# KiCad board BGA_Steuerung_4layer.kicad_pcb (continued)
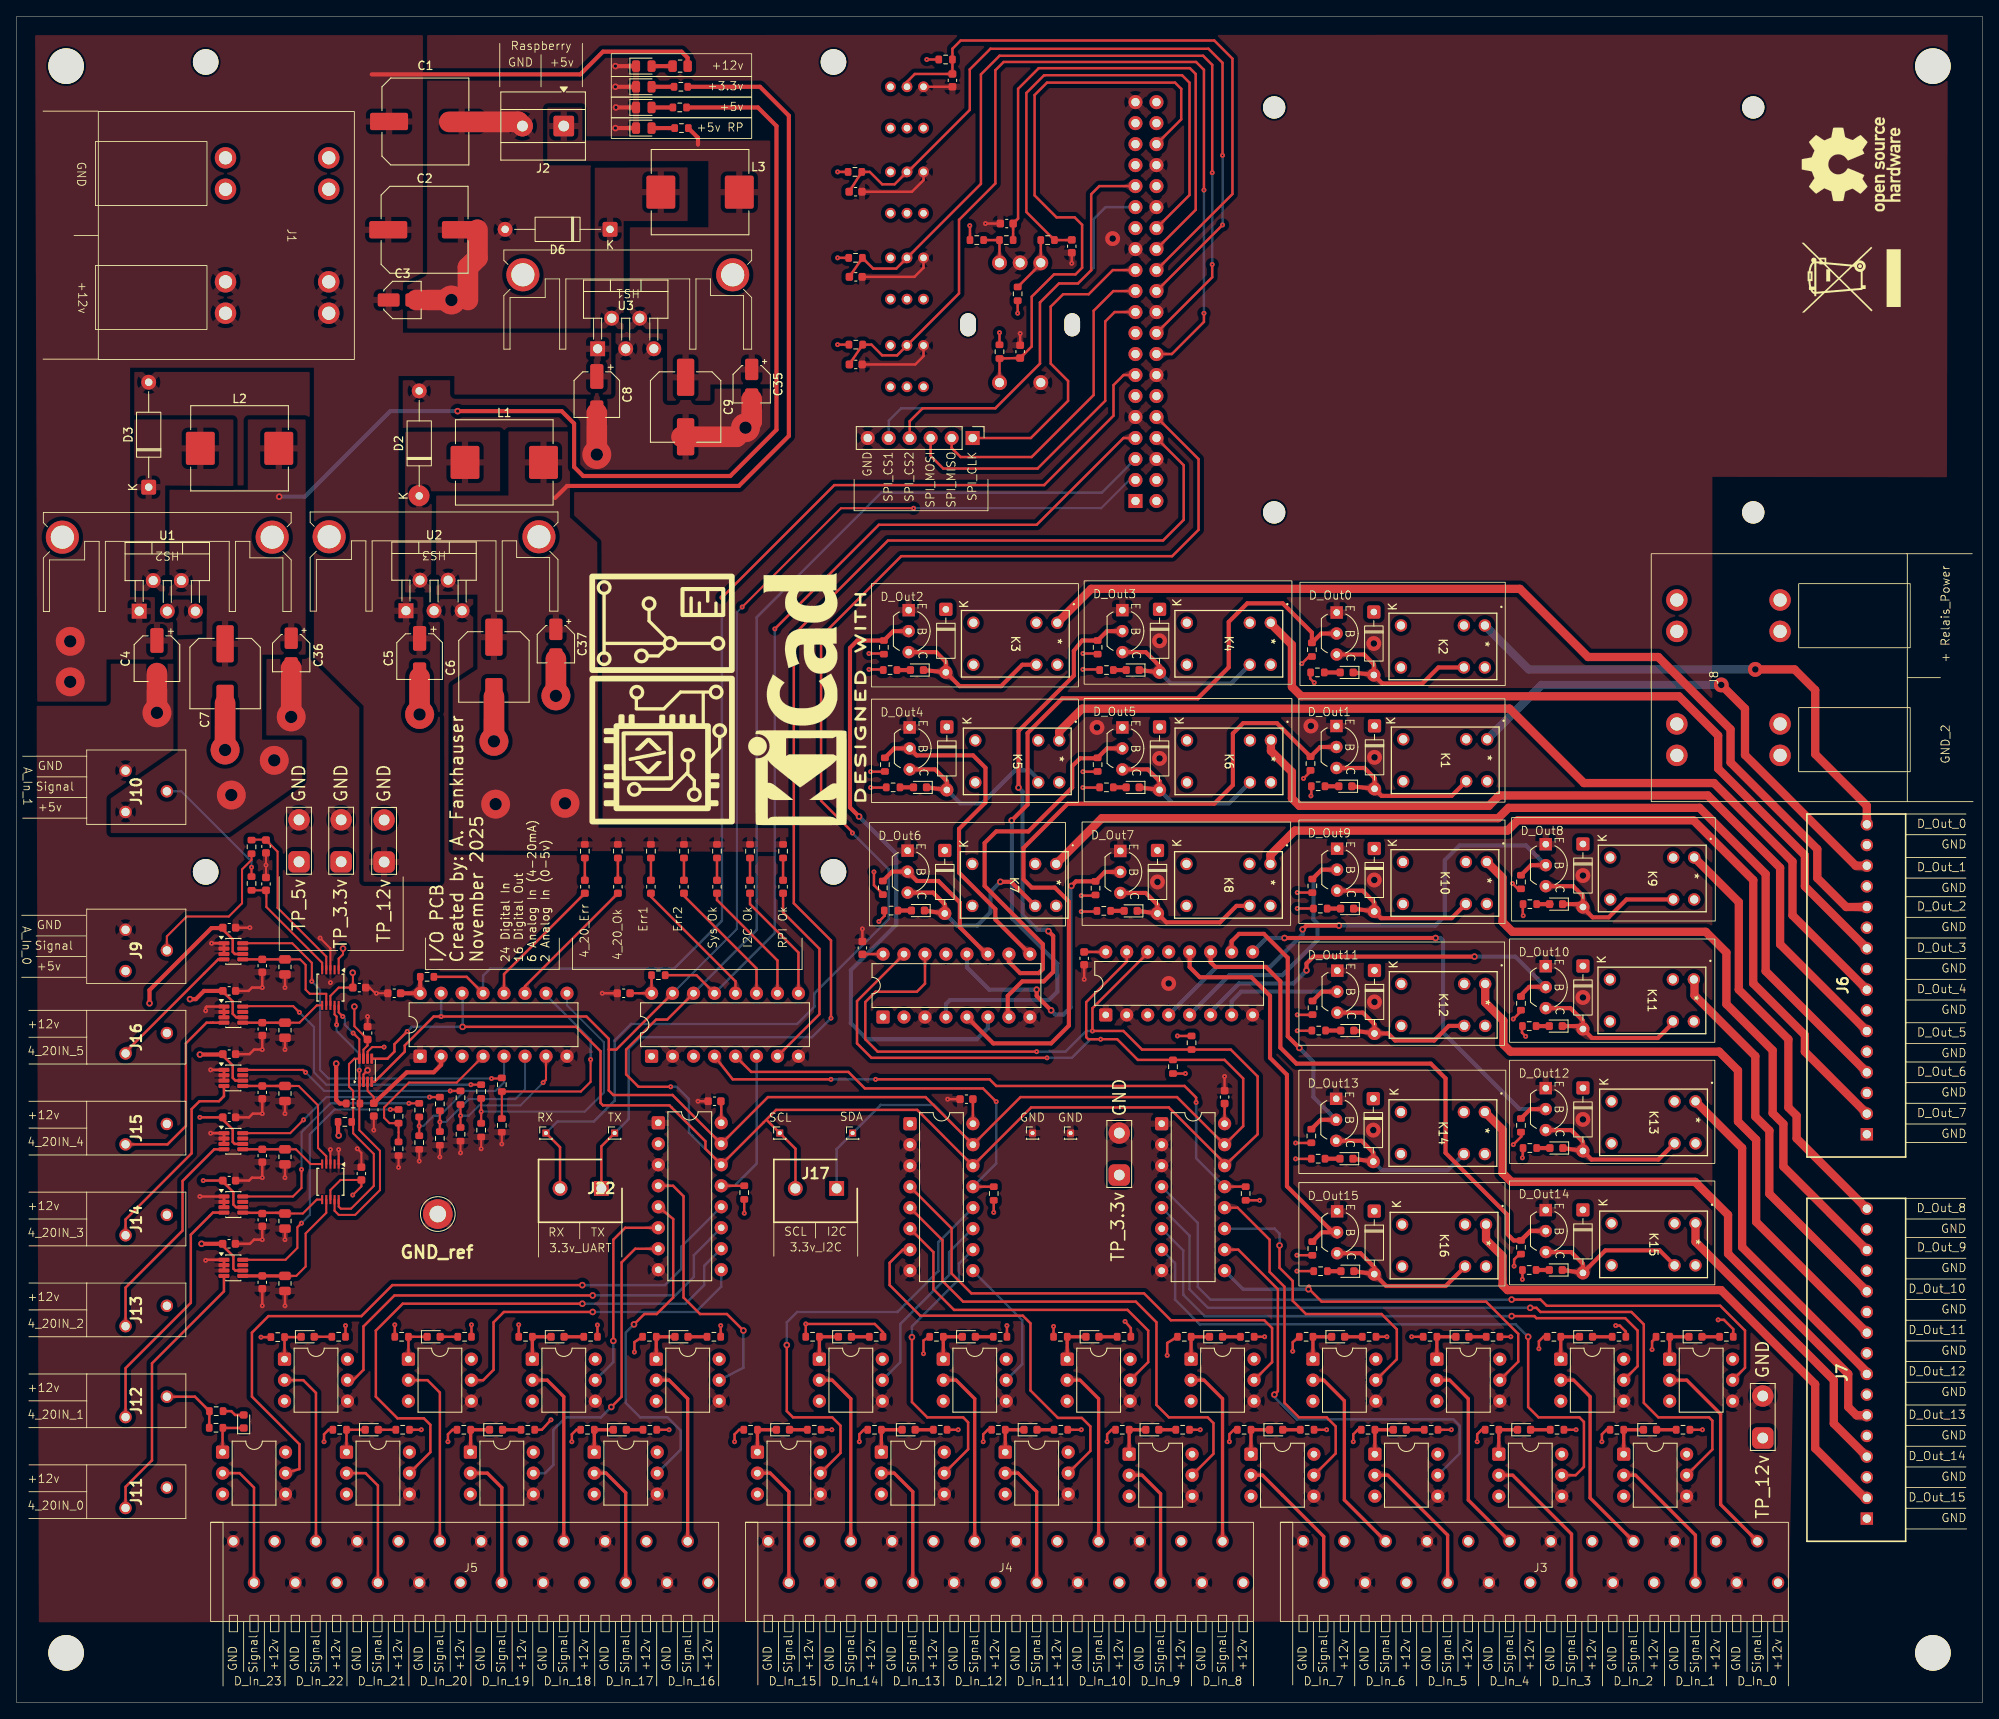
[diagram p0: board, top side]
## Nets (continued)
Net-(D43-A): D43.2 D70.1 K12.5 Q12.1
Net-(D44-A): D44.2 D68.1 K15.5 Q13.1
Net-(D45-A): D45.2 D69.1 K16.5 Q14.1
Net-(D46-A): D46.2 D64.1 K13.5 Q15.1
Net-(D47-A): D47.2 D65.1 K14.5 Q16.1
Net-(D48-A): D48.2 R71.2
Net-(D48-K): D48.1 U34.7
Net-(D49-A): D49.2 R72.2
Net-(D49-K): D49.1 U34.9
Net-(D50-A): D50.2 R73.2
Net-(D50-K): D50.1 U34.10
Net-(D51-A): D51.2 R74.2
Net-(D51-K): D51.1 U34.11
Net-(D52-A): D52.2 R75.2
Net-(D52-K): D52.1 U34.12
Net-(D53-A): D53.2 R99.2
Net-(D53-K): D53.1 U44.11
Net-(D54-A): D54.2 R100.2
Net-(D54-K): D54.1 U44.12
Net-(D55-A): D55.2 R101.2
Net-(D56-A): D56.2 R102.2
Net-(D57-A): D57.2 R103.2
Net-(D58-A): D58.2 R104.2
Net-(D59-A): D59.2 R105.2
Net-(D60-A): D60.2 R106.2
Net-(D61-A): D61.2 R107.2
Net-(D62-A): D62.2 R108.2
Net-(D63-A): D63.2 R109.2
Net-(D64-A): D64.2 R110.2
Net-(D65-A): D65.2 R111.2
Net-(D66-A): D66.2 R112.2
Net-(D67-A): D67.2 R113.2
Net-(D68-A): D68.2 R114.2
Net-(D69-A): D69.2 R115.2
Net-(D70-A): D70.2 R116.2
Net-(J2-Pin_1): C9.1 C35.1 J2.1 L3.2 R4.1 U3.4
Net-(J22-Pin_1): J22.1 J24.1 U4.8
Net-(J22-Pin_2): J22.2 J23.1 U4.10
Net-(R118-Pad2): R118.2 R119.1 SW1.A
Net-(R120-Pad2): R120.2 R121.2 SW1.B
Net-(U5-P0): U5.4 U9.5
Net-(U5-P1): U5.5 U6.5
Net-(U5-P2): U5.6 U7.5
Net-(U5-P3): U5.7 U8.5
Net-(U5-P4): U5.9 U10.5
Net-(U5-P5): U5.10 U11.5
Net-(U5-P6): U5.11 U12.5
Net-(U5-P7): U5.12 U13.5
Net-(U22-P0): U14.5 U22.4
Net-(U22-P1): U15.5 U22.5
Net-(U22-P2): U16.5 U22.6
Net-(U22-P3): U17.5 U22.7
Net-(U22-P4): U18.5 U22.9
Net-(U22-P5): U19.5 U22.10
Net-(U22-P6): U20.5 U22.11
Net-(U22-P7): U21.5 U22.12
Net-(U31-P0): U23.5 U31.4
Net-(U31-P1): U24.5 U31.5
Net-(U31-P2): U25.5 U31.6
Net-(U31-P3): U26.5 U31.7
Net-(U31-P4): U27.5 U31.9
Net-(U31-P5): U28.5 U31.10
Net-(U31-P6): U29.5 U31.11
Net-(U31-P7): U30.5 U31.12
Net-(U35-SCL_B): R77.1 U35.8 U36.10 U37.10
Net-(U35-SDA_B): R78.1 U35.1 U36.9 U37.9
Net-(U37-AIN0): C20.2 R85.2 U37.4
Net-(U37-AIN1): C21.2 R86.2 U37.5
Net-(U38-SGOOD): R80.1 U38.8
Net-(U39-SGOOD): R83.1 U39.8
Net-(U40-SGOOD): R89.1 U40.8
Net-(U41-SGOOD): R97.1 U41.8
Net-(U42-SGOOD): R95.1 U42.8
Net-(U43-SGOOD): R93.1 U43.8

Pads without a net: K1 6; K2 6; K3 6; K4 6; K5 6; K6 6; K7 6; K8 6; K9 6; K10 6; K11 6; K12 6; K13 6; K14 6; K15 6; K16 6; SW2 1 4 5 6; SW3 1 4 5 6; SW4 1 4 5 6; SW5 1 4 5 6; U4 1 2 4 11 12 15 17 27 32 33 35 37 38 40; U6 3 6; U7 3 6; U8 3 6; U9 3 6; U10 3 6; U11 3 6; U12 3 6; U13 3 6; U14 3 6; U15 3 6; U16 3 6; U17 3 6; U18 3 6; U19 3 6; U20 3 6; U21 3 6; U23 3 6; U24 3 6; U25 3 6; U26 3 6; U27 3 6; U28 3 6; U29 3 6; U30 3 6; U32 13; U33 13; U36 2; U37 2; U38 7; U39 7; U40 7; U41 7; U42 7; U43 7

## Via types
v1: diameter 1.8, hole 0.8, Top to Bottom, 17 vias
v2: diameter 0.6, hole 0.2, Top to Bottom, 182 vias
v3: diameter 3.5, hole 1.5, Top to Bottom, 15 vias
v4: diameter 0.8, hole 0.4, Top to Bottom, 49 vias

## Routing (per net, layer and track width the routed paths; a pad name or vN(x,y) marks a point on that pad's centre or on a via; arc(x,y) is an arc through that point)
5V_Power1: length 152.4
  Top w0.25: 41.25,63.22 39.22,63.22 38,62 U36.8 ; U37.8 38,85.5 39,86.5 C18.2 40.72,88.28 v4(40.7,88.3) ; C19.2 41.75,62.45 v2(40.7,61.4) ; U37.1 39,90 39.53,90.53 v4(39.53,91.22) 39.53,91.25 ; U35.7 42,79 42.5,79.5 C17.2 40.9,81.82 v4(40.9,84.2)
  Top w0.5: R77.2 38.92,68.68 v4(39,68.6) ; R2.1 89.75,193 92,190.75 92,154 86.4,148.4 68.6,148.4 67.5,149.5 67.5,154.75 66,156.25 v4(53.4,156.25) ; v4(38.7,77.3) 38.7,72.9 39.12,72.47 R78.2
  Bottom w0.5: v4(31.8,145.9) 34.9,145.9 45.25,156.25 v4(53.4,156.25)
  vias: v3(26,109.8) v3(31.2,114)
12V_Power1: length 251.7
  Top w0.3: v2(154.5,42.5) 154.5,43.6 R20.1 ; U40.6 26.41,67.59 26.17,67.82 26.17,69.32 24.92,70.57 ; 156.78,126.5 156.4,126.5 v2(155.6,125.7) ; R51.1 39.83,45.57 39.8,45.6 ; v2(161.83,31.55) 161.83,32.45 162.38,33 162.82,33 ; U43.6 26.44,90.56 26.17,90.82 26.17,92.32 24.92,93.57 ; v2(67.23,31.55) 67.23,32.45 67.78,33 68.22,33 ; v2(181.1,99.1) 181.7,98.5 182.18,98.5 ; v2(182.3,65.9) 182.35,65.95 182.35,67.07 ; 53.22,33 52.78,33 52.23,32.45 v2(52.23,31.55) ; 180.9,44.2 180.85,44.25 R11.1 ; v2(128.9,95.7) 130.91,95.7 ; v2(86.93,31.55) 86.93,32.45 87.48,33 87.92,33 ; R105.1 104.85,125 v2(103.2,125) ; 156.88,83.2 155.1,83.2 ; 27.31,83 27.22,82.91 26.59,82.91 26.17,83.32 26.17,84.82 24.92,86.07 ; 24.92,78.32 26.17,77.07 26.17,75.57 26.5,75.25 27.31,75.25 ; v2(134.2,46.1) 134.9,45.3 R25.1 ; v2(155,52.19) 157,52.19 ; v2(29.6,44.2) 30.78,44.2 30.8,44.21 ; R35.1 104.9,44.8 103.9,45.8 95.6,45.8 95.55,45.75 R37.1 ; R19.1 165.66,44.25 165.7,44.29 165.9,44.29 ; 147.82,33 147.38,33 146.83,32.45 v2(146.83,31.55) ; 192.92,33 192.48,33 191.93,32.45 v2(191.93,31.55) ; R21.1 v2(158.6,33) ; v2(155.04,96.07) 157.05,96.07 ; 156.57,112.8 156.57,112.57 v2(155.8,111.8) ; R114.1 182.31,51.21 v2(182.3,51.2) ; 38.22,33 37.78,33 37.23,32.45 v2(37.23,31.55) ; R43.1 v2(55.08,45.7) ; C26.2 v2(22.2,70.8) ; R24.1 v2(143.3,33) ; v2(129.1,110.7) 131.1,110.7 ; 45.8,45.7 45.8,45.7 R49.1 ; v2(104.4,94.5) 105.1,95.21 105.1,95.9 ; 156.75,110.88 156.75,109.75 v2(156.7,109.7) ; R28.1 v2(114,33) ; 62.72,33 63.6,33 v2(64.7,34.2) ; 182.18,69 182.18,68.47 v2(181.2,67.5) ; R8.1 184.85,44.25 184.3,43.7 v2(184.3,42.8) ; 156.68,67.7 154.9,67.7 ; R44.1 v2(49,33) ; 182.25,81.88 182.25,81.05 v2(182.7,80.6) ; R26.1 v2(128.9,33) ; 125.51,45.5 125.54,45.47 125.54,44.25 ; R40.1 v2(79,33) ; v2(182.4,95.2) 182.35,95.25 182.35,96.57 ; v2(139.3,42) 139.3,43.5 140.54,44.25 ; 118.02,33 117.58,33 117.03,32.45 v2(117.03,31.55) ; v2(206,46.3) 206.7,46.3 207.82,45.18 R13.1 ; 104.93,97.82 104.88,97.82 103.8,98.9 v2(103.8,100.5) ; v2(154.84,65.78) 156.85,65.78 ; R45.1 74.8,43.6 v2(74.8,42.4) ; R101.1 156.61,124.57 156.61,123.89 v2(157.1,123.4) ; R47.1 60.8,45.7 ; v2(193.6,45.6) 194.1,45.6 194.82,44.88 R7.1 ; 24.98,55.25 24.99,55.25 26.25,53.99 26.25,52.5 26.48,52.26 27.39,52.26 ; v2(109.8,42.2) 109.8,43.8 110.54,44.25 ; v2(85.25,45.6) R39.1 ; v2(103.4,110.7) 105.41,110.7 ; 25,63 26.25,61.75 26.25,60.25 26.58,59.93 U39.6 ; v2(181.3,52.8) 181.3,53.6 181.96,54.25 R67.1 ; 130.93,112.62 129.16,112.62 ; 130.93,126.93 129.16,126.93 ; v2(129.1,125) 131.1,125 ; R14.1 198.48,44.18 198,43.7 v2(198,42.7) ; C24.2 22.65,63.15 22.6,63.2 ; 156.83,54.12 155.06,54.12 ; v2(181.2,82.7) 182.07,83.57 182.07,83.8 ; v2(155.04,81.28) 157.05,81.28 ; R9.1 v2(188.8,33) ; 156.88,98 155.1,98 ; R15.1 v2(204.1,33) ; 177.82,33 177.38,33 176.83,32.45 v2(176.83,31.55) ; R36.1 v2(98.7,33) ; 103.02,33 102.58,33 102.03,32.45 v2(102.03,31.55) ; 130.73,97.62 128.96,97.62 ; v2(132.03,31.55) 132.03,32.45 132.58,33 133.02,33 ; 105.03,126.93 103.25,126.93 ; 168.9,44.3 168.95,44.25 R12.1 ; R17.1 v2(173.7,33) ; J12.2 21.6,37 R52.1 R54.1 ; R27.1 v2(119.9,45.6) ; R23.1 151.05,44.25 151.1,44.3 ; 105.23,112.62 103.46,112.62 ; v2(70.33,45.68) R41.1
  Top w0.5: v4(21,85.1) 21.7,85.1 22.7,86.1 C30.2 ; C32.2 24.92,93.7 23.6,93.7 16.1,86.2 v4(16.1,84.6) ; v4(22.4,55.5) C23.2 ; C28.2 24.92,78.4 v4(22.2,78.4) ; R1.1 81.25,199 80.5,199.75 71,199.75 68.25,197 43,197
  vias: v2(22.6,63.15) v2(39.83,45.6) v2(45.8,45.7) v2(60.8,45.7) v2(95.55,45.8) v2(103.2,126.93) v2(103.4,112.62) v2(125.54,45.5) v2(128.9,97.62) v2(129.1,126.93) v2(129.1,112.62) v2(151.1,44.25) v2(154.84,67.7) v2(155.04,98) v2(155.04,83.2) v2(155,54.12) v2(165.9,44.25) v2(168.9,44.25) v2(180.9,44.25) v3(6.5,128.4) v3(6.5,123.5)
GND: length 213.9
  Top w0.25: C19.1 41.75,66.5 v2(41.25,67) ; 44.72,85.81 v2(43.56,85.81) 43.44,85.81 42.75,86.5 42.53,86.5 ; v2(36.75,92.5) 37.97,91.25 38,91.22 U37.3 ; U36.1 v2(39,66.9) ; 30.2,99.82 C20.1 ; U36.3 v2(38,66.9) ; R87.2 v2(48.75,65.5) ; v2(43.25,69.25) C16.1 ; v2(42.5,83) 42.5,82.03 ; 53.75,68.18 v2(53.75,66.5) ; R96.2 v2(56.25,67) ; R91.2 v2(51.25,66) ; 46.25,66.43 v2(46.25,64.75) ; R94.2 v2(58.75,67.57) ; U35.2 42,76 v4(42.5,76.5)
  Top w0.3: SW3.3 109.8,173.6 108.7,172.5 C42.2 ; 25.11,52.26 U38.1 22.97,53.56 v2(22.9,53.5) ; v2(22.9,83.7) 22.9,84.1 23.01,84.21 U42.1 U42.3 ; C31.1 v2(29.75,79) 28.75,79 28.2,78.45 C28.1 ; C26.1 28.15,70.8 28.6,71.25 v2(29.75,71.25) C29.1 ; 23.5,76.5 23.55,76.54 U41.1 U41.3 ; v2(127.75,174.15) C40.1 ; C24.1 28.15,63.15 28.5,63.5 v2(29.75,63.5) C27.1 ; C32.1 v2(28.25,93.75) ; v2(129.25,87.5) 129.25,89.47 ; 23.5,69 23.62,68.88 U40.1 U40.3 ; 102.35,183.1 102.65,182.8 108.4,182.8 109.8,184.2 SW4.3 ; C25.1 v2(29.75,56) 28.75,56 28.25,55.5 C23.1 ; v2(112.72,73) C11.2 ; C13.2 v2(102.4,93.6) ; v2(23.62,91.87) U43.1 U43.3 ; 121.5,164.22 v2(121.5,165.65) ; C30.1 28.1,86.1 28.5,86.5 v2(29.75,86.5) C33.1 ; R92.2 v2(32.5,86.5) ; R79.2 v2(32.5,48) ; R90.2 v2(32.5,79) ; U39.3 U39.1 22.27,61.22 22.2,61.3 ; R82.2 v2(32.5,56) ; C39.1 v2(117.3,178.95) ; SW5.3 C44.2 ; R88.2 v2(32.5,71.25) ; SW2.3 109.8,162.9 108.8,161.9 C41.2 ; R84.2 v2(32.5,63.5) ; C15.2 v2(70.9,85.81) ; C22.1 v2(29.75,48) ; C12.2 v2(82.5,72.75) ; C10.2 v2(146.25,75.75)
  Top w0.5: 75.12,198 v4(72.5,198) ; D5.1 v4(72.5,195.5) ; 75.12,193 v4(72.56,193) ; 75.06,190.5 v4(72.5,190.5)
  Top w2.5: 52.4,191.25 60.75,191.25 J2.2 ; v3(70.25,151) C8.2 ; C35.2 89,155 v3(88.25,154.25) 87.15,153.15 80.5,153.15 ; v3(25.25,115.25) C7.2 ; 33.25,125.18 v3(33.25,119.25) ; C6.2 v3(57.8,116.3) ; 55.8,178.2 55.8,174.8 54.65,173.65 54.65,169.7 ; v3(48.8,119.55) 48.8,124.05 ; v3(17,119.75) 17,124.55 ; C3.2 v3(52.65,169.7) ; C37.2 v3(65.3,121.8)
  vias: v1(130.8,117.98) v1(132.7,177.13) v1(138.12,99.28) v1(138.38,128.46) v1(138.38,114.23) v1(139.48,87) v1(156.7,118.15) v1(164.32,128.14) v1(164.25,69.26) v1(164.4,114.36) v1(164.37,99.52) v1(164.39,84.76) v1(189.63,100.06) v1(189.63,85.3) v1(189.63,70.55) v2(22.2,61.22) v2(23.5,76.54) v2(23.5,68.88) v2(30.2,101.32) v2(38,87.1)
3_3V_Power1: length 140.8
  Top w0.25: U35.6 42.5,78.75 43.05,79.3 v2(44.5,79.3) ; C16.2 43.25,73.25 42.5,74 U35.3
  Top w0.3: v2(99.4,185.2) R124.1 ; R126.2 v2(150.5,60.76) ; R125.1 v2(110.2,198.8) ; v2(121.2,168.1) R120.1 ; R123.1 v2(99.4,164.3) ; R129.2 U34.16 C15.1 ; R127.2 v2(118.3,59.3) ; v2(140.54,80.65) R6.1 ; C13.1 102.43,90.56 104.57,90.56 ; C10.1 U5.16 ; C11.1 U22.16 ; v2(115.4,178.7) 115.43,178.68 R118.1 ; R5.1 v2(141.5,76.1) ; R122.2 v2(119,165.75) ; 85.31,72.72 U31.16 ; 129.34,90.81 U33.16 ; R128.2 v2(88.1,59.2) ; R117.1 v2(99.4,174.8)
  Top w0.5: R3.1 90,195.5 93.5,192 93.5,153.25 87.45,147.2 66.65,147.2 65.2,145.75 ; C16.2 47.25,76.25 50.5,76.25 51.4,77.15 U44.2 ; 46.69,85.81 U44.16 R130.2
  vias: v3(58,108.7) v3(66.4,108.8)
4_20IN_0: length 33
  Top w0.3: J11.1 13.2,26.1 16.4,29.3 16.4,41.04 25.11,49.75 U38.4
4_20IN_1: length 30.5
  Top w0.3: J12.1 13.2,40.45 21.1,48.35 21.1,56.6 23.77,59.28 U39.4
4_20IN_2: length 27
  Top w0.3: J13.1 13.2,50.2 20.1,57.1 20.1,63.1 23.94,66.94 U40.4
4_20IN_3: length 24.4
  Top w0.3: J14.1 13.2,58.45 21.2,66.45 21.2,71.8 22.15,72.75 24.5,72.75 25.11,73.36 U41.4 ; 25.06,74.59 25.11,74.54
4_20IN_4: length 23.9
  Top w0.3: U42.4 23.75,82.25 23.75,82.25 23,82.25 20.5,79.75 20.5,69.75 18.28,67.53 J15.1
4_20IN_5: length 16.7
  Top w0.3: U43.4 24.41,89.91 13.25,78.75 13.25,78.58 J16.1
/Analog_Input_ADS1115/3_3V_SCL: length 369.2
  Top w0.3: J17.2 94.3,62.22 94.3,67 J18.1 90.83,70.47 ; U32.14 109.98,86.98 109,86 104,86 102.75,84.75 102.75,80.25 104.25,78.75 v2(123.5,78.75) ; U33.14 136.94,90.69 130.25,84 v2(130.25,81.25) 134,81.25 136.25,79 147,79 150.25,75.75 150.25,68.75 U5.14 146.25,65.25 139.5,72 122.83,72 U22.14 109.03,71.7 91.95,71.7 U31.14 85.31,65.09 83.4,67 83.4,67.9 79.05,72.25 71,72.25 70.7,72.55 70.7,78.8 67.75,81.75 v4(54,81.75) ; v2(79.2,74.5) 75.3,74.5 73.8,76 73.8,79 77.43,82.63 78.77,82.63 U34.14 ; 43.05,77.9 44.9,77.9 45.75,78.75 45.75,79.65 v2(47.3,81.2)
  Bottom w0.3: 53.94,81.75 v4(54,81.75) ; 53.94,81.75 47.85,81.75 v2(47.3,81.2) ; 53.94,81.75 54,81.81 54,85.75 U44.14 ; v2(130.25,81.25) 129.5,81.25 127,78.75 v2(123.5,78.75) ; U31.14 81.4,68.97 81.4,73 79.9,74.5 v2(79.2,74.5) ; U4.5 131.4,146.4 104.7,146.4 89.6,131.3 89.6,93.46 U34.14
/Analog_Input_ADS1115/3_3V_SDA: length 356.3
  Top w0.25: v2(87.85,132.55) 99.8,144.5 v2(108.6,144.5)
  Top w0.3: 71.7,79 71.7,80.3 69,83 v2(51.4,83) 50.5,83 47,79.5 47,78.75 43.35,75.1 43.05,75.1 ; 71.7,79 71.7,74.05 72.25,73.5 79.42,73.5 U31.15 90.97,73.25 110.05,73.25 115.78,67.52 U22.15 121.54,73.25 140.49,73.25 U5.15 148.5,69.74 148.5,75.5 146.25,77.75 135.75,77.75 133.25,80.25 v2(131.25,80.25) 129.75,80.25 129.5,80.5 129.5,84.75 134.4,89.65 U33.15 ; 71.7,79 72.61,79 U34.15 ; U32.15 101.75,84.87 101.75,79.75 103.5,78 v2(124.75,78)
  Bottom w0.25: v2(108.6,144.5) 131.3,144.5 134.72,147.92 U4.3 ; U34.15 87.2,93.59 87.2,131.9 v2(87.85,132.55) 87.95,132.65
  Bottom w0.3: J17.1 99.28,66.96 104.62,72.3 111.1,72.3 U22.15 ; v2(131.25,80.25) 130,80.25 127.75,78 v2(124.75,78) ; v2(51.4,83) U44.15
/Analog_Input_ADS1115/4-20IN_0: length 17.2
  Top w0.25: U36.7 37.5,59.25 35,56.75 35,52.75 33.86,51.62 32.5,51.62
  Top w0.4: U38.5 32.5,51.62
/Analog_Input_ADS1115/4-20IN_1: length 10.2
  Top w0.25: R82.1 34.66,59.16 36.35,60.85 U36.6
  Top w0.3: 27.39,59.22 U39.5 27.41,59.25 32.16,59.25 32.25,59.16
/Analog_Input_ADS1115/4-20IN_2: length 10.1
  Top w0.25: U36.5 35.6,65.15 33.81,66.94 R84.1
  Top w0.3: U40.5 32.25,66.94
/Analog_Input_ADS1115/4-20IN_3: length 17.3
  Top w0.25: R88.1 34.16,74.59 36.5,72.25 36.5,67.1 37.5,66.1 U36.4
  Top w0.3: U41.5 32.25,74.59
/Analog_Input_ADS1115/4-20IN_4: length 10.2
  Top w0.25: U37.6 36.35,84.35 34.25,82.25 R90.1
  Top w0.3: U42.5 32.25,82.25
/Analog_Input_ADS1115/4-20IN_5: length 14.7
  Top w0.25: U37.7 37.5,85.75 35.5,85.75 35,86.25 35,89.25 34.33,89.91 R92.1
  Top w0.3: U43.5 32.25,89.91
/Analog_Input_ADS1115/4_20_circuit_protection_/SGOOD_4_20IN_0: length 19.8
  Top w0.25: U44.4 53.28,75 47.5,75 44.5,72 44.5,70.75 45.15,70.1 R80.2 46.25,68.07
/Analog_Input_ADS1115/4_20_circuit_protection_/SGOOD_4_20IN_1: length 17.9
  Top w0.25: R83.2 v2(48.75,69.75) R87.1
  Bottom w0.25: v2(48.75,69.75) 49.25,69.75 50.5,71 51.25,71 54.25,74 58,74 59.02,75.02 U44.5
/Analog_Input_ADS1115/4_20_circuit_protection_/SGOOD_4_20IN_2: length 18.5
  Top w0.25: R91.1 v2(51.25,70.25) R89.2
  Bottom w0.25: U44.6 61.56,74.19 60.38,73 54.75,73 52,70.25 v2(51.25,70.25)
/Analog_Input_ADS1115/4_20_circuit_protection_/SGOOD_4_20IN_3: length 17.5
  Top w0.25: U44.7 64.1,75.35 v2(63.75,75) ; R97.2 v2(53.75,71) 53.75,69.82
  Bottom w0.25: v2(53.75,71) 54.75,71 56,72.25 61,72.25 v2(63.75,75)
/Analog_Input_ADS1115/4_20_circuit_protection_/SGOOD_4_20IN_4: length 32.7
  Top w0.25: R96.1 v2(56.25,71.5) R95.2
  Bottom w0.25: v2(56.25,71.5) 68.8,71.5 71.1,73.8 71.1,79.9 66.64,84.36 U44.9
/Analog_Input_ADS1115/4_20_circuit_protection_/SGOOD_4_20IN_5: length 27.7
  Top w0.25: R94.1 R93.2 68.33,73.93 69.5,75.1 v2(69.5,77.8) ; 64.25,85.66 U44.10
  Bottom w0.3: U44.10 64.1,85.6 69.5,80.2 v2(69.5,77.8)
/Analog_Input_ADS1115/INT_0x26: length 143.1
  Top w0.3: U4.13 134.02,160.62 132.8,159.4 132.8,155.7 124.4,147.3 99,147.3 v2(85.4,133.7) ; R130.1 54.5,87.8 U44.13
  Bottom w0.3: U44.13 56.48,87.94 57.34,88.8 79.6,88.8 85.4,94.6 v2(85.4,133.7)
/Digital_IO_PCF8574/PCF8574_7BIT_20_DIn0-7/INT_0x20: length 75.3
  Top w0.3: U5.13 148.8,62.43 ; v2(142.8,72.6) 142.8,73.2 141.4,74.6 118.6,74.6 117.8,75.4 v2(104,75.4) ; v2(98.6,75.4) 86.7,75.4 U34.4
  Bottom w0.3: v2(104,75.4) v2(98.6,75.4) ; v2(142.8,72.6) 142.8,65.86 U5.13
/Digital_IO_PCF8574/PCF8574_7BIT_21_DIn8-15/INT_0x21: length 47.8
  Top w0.3: R127.1 U22.13 ; v2(118.6,72.7) 117,74.3 102.7,74.3 100.7,76.3 88.94,76.3 U34.5
  Bottom w0.3: U22.13 118.6,65.23 v2(118.6,72.7)
/Digital_IO_PCF8574/PCF8574_7BIT_22_DIn16-23/INT_0x22: length 21.2
  Top w0.3: U31.13 R128.1
  Bottom w0.3: U31.13 86.92,62.52 89.6,65.2 89.6,78.18 U34.6
/Digital_IO_PCF8574/PCF8574_7BIT_23_DOut_0-7/P0_DOut0: length 100.4
  Top w0.5: v4(120.47,106.72) 122.4,108.65 122.4,117.3 126.6,121.5 143,121.5 146.75,125.25 146.75,130.75 149,133 153.28,133 156.82,129.47 R55.2 157.95,129.35 Q1.2
  Bottom w0.5: U32.4 112.52,84.52 113,85 125,85 126,86 126,89.4 120.5,94.9 120.5,106.7 v4(120.47,106.72)
/Digital_IO_PCF8574/PCF8574_7BIT_23_DOut_0-7/P1_DOut1: length 90.3
  Top w0.5: U32.5 118.25,79.75 125.25,79.75 127.4,81.9 127.4,96.9 125.7,98.6 122.9,98.6 121.9,99.6 121.9,103.4 127.25,108.75 145,108.75 147.25,111 147.25,117.25 148.5,118.5 152.59,118.5 R56.2 157.83,115.61 Q2.2
  Bottom w0.5: 159.52,115.49 159.87,115.49
/Digital_IO_PCF8574/PCF8574_7BIT_23_DOut_0-7/P2_DOut2: length 77.2
  Top w0.5: Q3.2 106.14,129.63 R57.2 101.8,128.5 100.9,127.6 100.9,108.3 v4(102,107.2)
  Bottom w0.5: U32.6 117.6,81.6 116.25,80.25 102.95,80.25 101,82.2 101,88.6 106.5,94.1 106.5,102.7 v4(102,107.2)
/Digital_IO_PCF8574/PCF8574_7BIT_23_DOut_0-7/P3_DOut3: length 60.3
  Top w0.5: Q4.2 132.01,129.63 R58.2 129,128.5 128,127.25 128,124.25 121.3,117.55 v4(121.3,110.7) ; v4(124.93,93.32) 125.5,92.75 125.5,88.4 124.35,87.25 121.75,87.25 120,85.5 120,83.18 120.14,83.04 U32.7
  Bottom w0.5: v4(121.3,110.7) 121.8,110.2 121.8,95.3 123.6,93.5 124.75,93.5 v4(124.93,93.32)
/Digital_IO_PCF8574/PCF8574_7BIT_23_DOut_0-7/P4_DOut4: length 41
  Top w0.5: U32.9 118.5,94.74 118.5,96 114.1,100.4 114.1,105.7 117.3,108.9 117.3,113.1 115.8,114.6 108.96,114.6 Q5.2 106.26,115.44 R59.2
/Digital_IO_PCF8574/PCF8574_7BIT_23_DOut_0-7/P5_DOut5: length 46.9
  Top w0.5: Q6.2 132.01,115.44 R60.2 130.82,114.25 128.75,114.25 127.8,113.3 127.8,110.7 122.5,105.4 118.6,105.4 117.2,104 117.2,98.8 124.25,91.75 124.25,88.75 123.75,88.25 121.5,88.25 120.14,89.61 U32.10
/Digital_IO_PCF8574/PCF8574_7BIT_23_DOut_0-7/P6_DOut6: length 19.1
  Top w0.5: R61.2 106.01,100.53 Q7.2 109.01,99.4 111.6,99.4 114.2,96.8 114.2,93.8 117.44,90.56 U32.11
/Digital_IO_PCF8574/PCF8574_7BIT_23_DOut_0-7/P7_DOut7: length 38.7
  Top w0.5: Q8.2 131.76,100.49 R62.2 128.26,99.36 v4(127.7,98.8) ; v4(125.25,83.75) 123.5,85.5 v4(123.5,86.25)
  Bottom w0.5: U32.12 115.06,88.94 117.75,86.25 v4(123.5,86.25) ; v4(125.25,83.75) 125.75,83.25 126.75,83.25 127.6,84.1 127.6,98.7 v4(127.7,98.8)
/Digital_IO_PCF8574/PCF8574_7BIT_24_DOut_8-15/P0_DOut8: length 62.9
  Top w0.5: v4(160.1,94) 156.15,94 v4(155.7,93.55) ; R63.2 183.34,101.31 Q9.2
  Bottom w0.5: v4(155.7,93.55) 155.7,92.95 151.75,89 145.28,89 U33.4 ; Q9.2 182.74,103.7 174.7,103.7 172.91,101.91 172.91,95.16 171.75,94 v4(160.1,94)
/Digital_IO_PCF8574/PCF8574_7BIT_24_DOut_8-15/P1_DOut9: length 34.1
  Top w0.5: 159.74,100.5 160,100.77 ; Q10.2 158,100.77 R64.2
  Bottom w0.5: Q10.2 158.02,100.77 157,99.75 157,94.75 157.5,94.25 157.5,92.25 153.25,88 146.82,88 U33.5
/Digital_IO_PCF8574/PCF8574_7BIT_24_DOut_8-15/P2_DOut10: length 49.3
  Top w0.5: Q11.2 185.09,86.59 183.13,86.59 182.13,85.59 R65.2 ; v4(176.5,90.25) 157,90.25 156.17,89.42 v4(156.17,88.58)
  Bottom w0.5: v4(176.5,90.25) 181.43,90.25 Q11.2 ; U33.6 144.56,83.56 148,87 154.58,87 v4(156.17,88.58)
/Digital_IO_PCF8574/PCF8574_7BIT_24_DOut_8-15/P3_DOut11: length 18.5
  Top w0.5: R66.2 158.03,86.01 Q12.2
  Bottom w0.5: 147.06,83.16 U33.7 147.1,84.85 148.26,86.01 Q12.2
/Digital_IO_PCF8574/PCF8574_7BIT_24_DOut_8-15/P4_DOut12: length 54.8
  Top w0.5: Q15.2 183.26,71.8 R69.2 ; v4(171.8,92.5) v4(153.5,92.5)
  Bottom w0.5: U33.9 151.32,92.5 v4(153.5,92.5) ; Q15.2 181.96,71.8 172.7,81.06 172.7,92.2 172.4,92.5 v4(171.8,92.5)
/Digital_IO_PCF8574/PCF8574_7BIT_24_DOut_8-15/P5_DOut13: length 35.2
  Top w0.5: R70.2 157.89,70.51 Q16.2 ; U33.10 147.1,92.1 148,93 151,93 153.9,90.1 153.9,80.6 v4(155.3,79.2)
  Bottom w0.5: Q16.2 157,73.26 157,77.5 v4(155.3,79.2) ; 147.1,90.78 U33.10
/Digital_IO_PCF8574/PCF8574_7BIT_24_DOut_8-15/P6_DOut14: length 71.1
  Top w0.5: R67.2 181.24,55.91 180.5,56.64 180.5,59 173,66.5 173,75.51 171.21,77.3 154.95,77.3 153,79.25 153,87.25 151.25,89 145.12,89 144.56,89.56 U33.11 ; R67.2 183.26,57.04 Q13.2 185.09,57.08 183.31,57.08 R67.2
/Digital_IO_PCF8574/PCF8574_7BIT_24_DOut_8-15/P7_DOut15: length 49
  Top w0.5: R68.2 157.88,56.77 ; 158,56.89 Q14.2 ; 159.88,56.38 153.8,62.46 153.8,75.95 151.75,78 151.75,85.5 149.5,87.75 143.25,87.75 142.02,88.98 U33.12 ; 160,56.89 159.88,56.77
/GUI_inputs/Button_1: length 110.9
  Top w0.3: C41.1 R123.2 103.5,164.3 104.8,163 106.6,163 114.1,170.5 114.1,179.4 118.5,183.8 118.5,197.5 119.5,198.5 142.8,198.5 143.75,197.55 v2(143.75,183) ; U4.16 139.86,163.16 143.75,167.05 v2(143.75,168.1)
  Bottom w0.3: v2(143.75,168.1) v2(143.75,183)
/GUI_inputs/Button_2: length 99.8
  Top w0.3: U4.18 144.75,172.45 v2(144.75,174) ; C42.1 R117.2 103.7,173.5 106.5,173.5 SW3.2 116.75,183.75 116.75,197 119,199.25 143.65,199.25 144.75,198.15 v2(144.75,185.1)
  Bottom w0.3: v2(144.75,185.1) v2(144.75,174)
/GUI_inputs/Button_3: length 88.4
  Top w0.3: C43.1 R124.2 103.3,185.2 104.8,183.7 106.3,183.7 SW4.2 107.9,185.2 115.4,192.7 115.4,197.6 117.9,200.1 144.3,200.1 146,198.4 v2(146,187.2) ; v2(146,178.78) U4.22
  Bottom w0.3: v2(146,187.2) v2(146,178.78)
/GUI_inputs/Button_4: length 74.1
  Top w0.3: SW5.2 107.8,196.1 108.75,197.05 C44.1 113.3,198.78 ; R125.2 113.3,200.1 114.3,201.1 145,201.1 147.2,198.9 147.2,182.52 U4.24
/GUI_inputs/SW_encoder_A: length 64.5
  Top w0.3: U4.26 142.75,180.61 142.75,197.05 142.05,197.75 123.75,197.75 121.25,195.25 121.25,179.55 C39.2 R119.2
/GUI_inputs/SW_encoder_B: length 61.6
  Top w0.3: U4.28 142,182.4 142,196 141.1,196.9 124.4,196.9 122.25,194.75 122.25,180.35 R121.1 127.72,176.95
/GUI_inputs/SW_encoder_PUSH: length 72.2
  Top w0.3: U4.36 141,191.56 141,195.25 140.25,196 124.75,196 123.25,194.5 123.25,182.35 125.9,179.7 128.1,179.7 129,178.8 129,173.6 128.2,172.8 125.6,172.8 122.9,170.1 122.9,164.07 C38.1 R122.1 SW1.S1
/INT_0x25: length 107.2
  Top w0.3: v2(91.8,129.9) 104.4,142.5 123.5,142.5 134,153 U4.7 ; R129.1 82.31,88 U34.13
  Bottom w0.3: v2(91.8,129.9) 91.8,93.12 U34.13
/SPI_CLK: length 37.8
  Top w0.3: U4.23 132.72,173.32 129.8,170.4 126.7,170.4 125.2,168.9 125.2,162 127.3,159.9 127.3,157.5 122.8,153 J25.1